# Altium PCB PCB.PcbDoc (part 9 of 10) (continued)
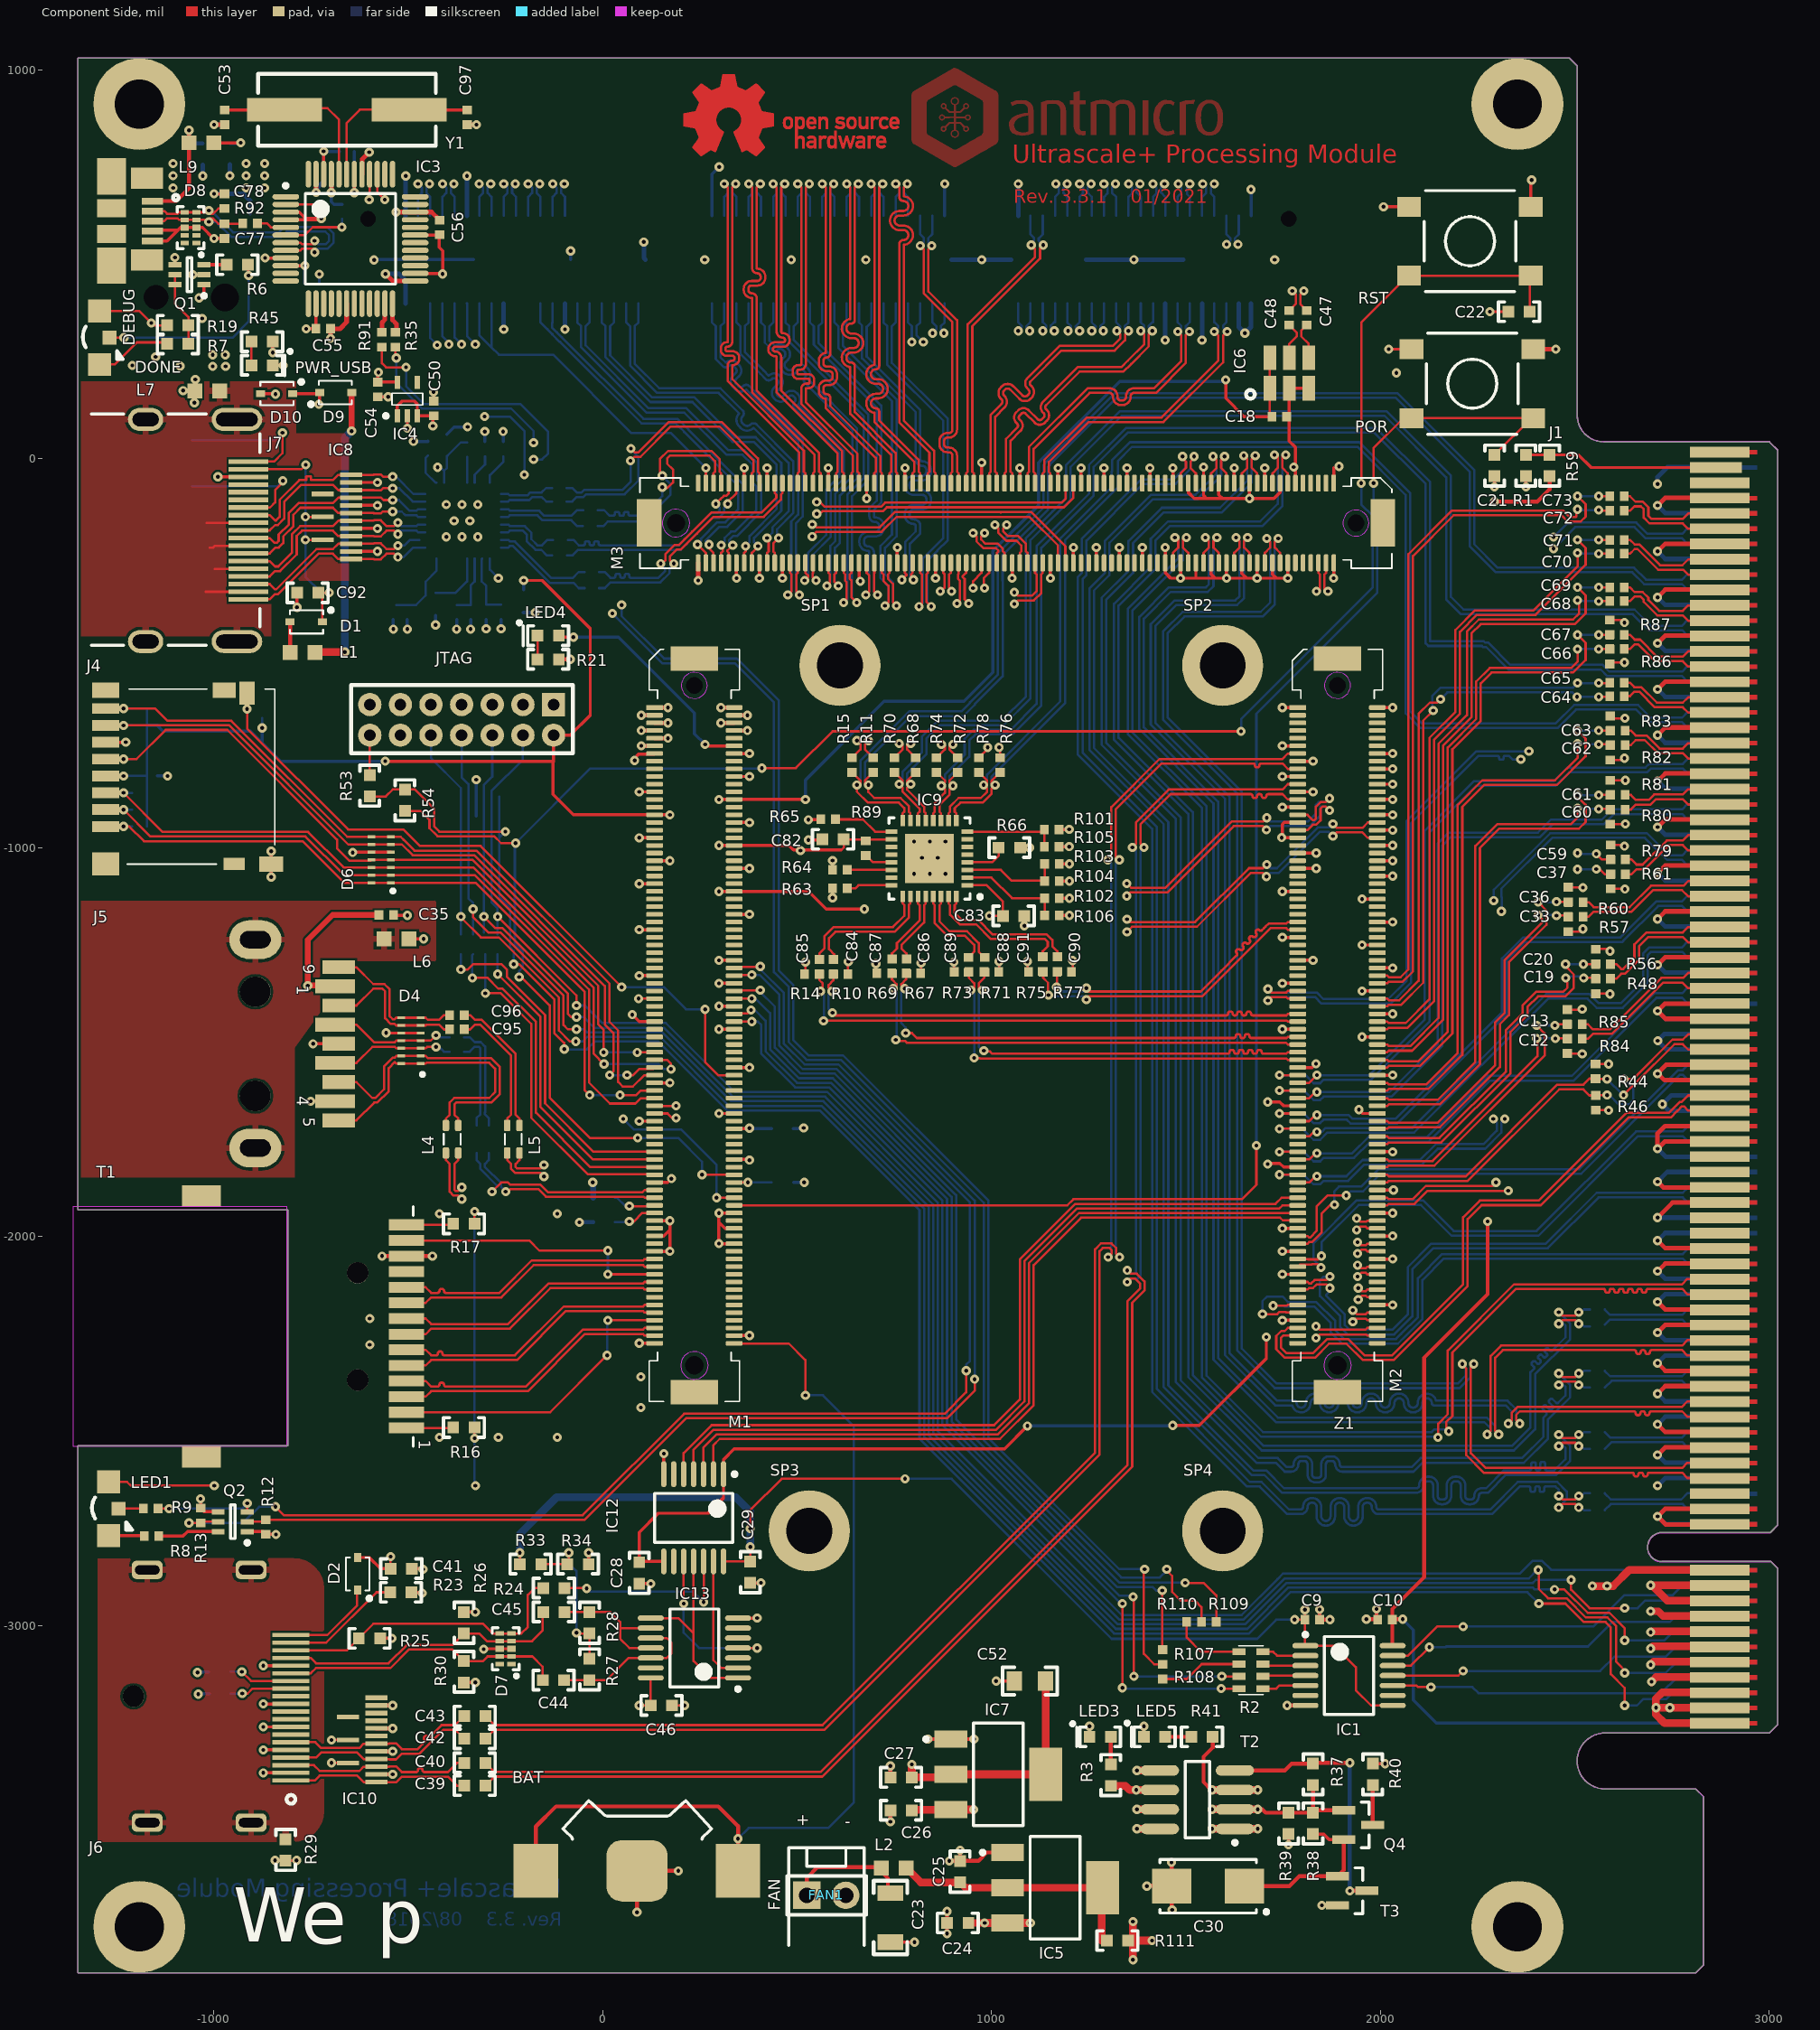
[diagram p0: Component Side view]
## Nets (pads, with @x,y where several pads share a name; then routed paths per layer and width w, separated by ;. In a path a pad name is that pad's centre, name@x,y a point inside that pad or via, vN(x,y) a via of type N, cw(c..) or ccw(c..) an arc to the next point about the centre after c; other vN are vias at no path point) (continued)
; 625.24,828.71 630.74,828.71 ; 625.63,829.1 630.35,829.1 ; 625.63,829.49 630.35,829.49 ; 625.63,829.89 630.35,829.89 ; 627.6,859.35 633.88,859.35 ; 627.6,859.74 633.88,859.74 ; 627.6,860.13 633.88,860.13 ; 627.6,860.53 633.49,860.53 ; 627.6,860.92 633.49,860.92 ; 627.6,861.31 633.49,861.31 ; 627.6,861.71 633.49,861.71 ; 627.6,862.1 633.49,862.1 ; 627.6,862.49 633.49,862.49 ; 627.6,862.88 633.49,862.88 ; 627.6,863.28 633.49,863.28 ; 627.6,863.67 633.49,863.67 ; 627.6,864.06 633.49,864.06 ; 627.6,864.46 633.49,864.46 ; 627.6,864.85 633.49,864.85 ; 627.6,865.24 633.49,865.24 ; 627.6,865.63 633.49,865.63 ; 627.6,866.03 633.49,866.03 ; 627.6,866.42 633.49,866.42 ; 627.6,866.81 633.49,866.81 ; 627.6,867.21 633.49,867.21 ; 627.6,867.6 633.88,867.6 ; 627.6,867.99 633.88,867.99 ; 627.6,868.38 633.88,868.38 ; 627.99,820.85 633.1,820.85 ; 627.99,857.38 634.67,857.38 ; 627.99,857.78 634.27,857.78 ; 627.99,858.17 634.27,858.17 ; 627.99,858.56 633.88,858.56 ; 627.99,858.96 633.88,858.96 ; 627.99,868.78 633.88,868.78 ; 627.99,869.17 633.88,869.17 ; 627.99,869.56 634.27,869.56 ; 627.99,869.96 634.27,869.96 ; 627.99,870.35 634.67,870.35 ; 628.38,819.67 633.49,819.67 ; 628.38,820.07 633.49,820.07 ; 628.38,820.46 633.1,820.46 ; 628.38,856.21 635.45,856.21 ; 628.38,856.6 635.06,856.6 ; 628.38,856.99 634.67,856.99 ; 628.38,870.74 634.67,870.74 ; 628.38,871.13 635.06,871.13 ; 628.38,871.53 635.45,871.53 ; 628.77,818.1 633.88,818.1 ; 628.77,818.5 633.88,818.5 ; 628.77,818.89 633.88,818.89 ; 628.77,819.28 633.49,819.28 ; 628.77,855.03 636.63,855.03 ; 628.77,855.42 636.24,855.42 ; 628.77,855.81 635.85,855.81 ; 628.77,871.92 635.85,871.92 ; 628.77,872.31 636.24,872.31 ; 628.77,872.7 636.63,872.7 ; 629.17,816.92 634.27,816.92 ; 629.17,817.32 634.27,817.32 ; 629.17,817.71 634.27,817.71 ; 629.17,854.24 638.6,854.24 ; 629.17,854.64 637.42,854.64 ; 629.17,873.1 637.42,873.1 ; 629.17,873.49 638.6,873.49 ; 629.56,815.75 634.67,815.75 ; 629.56,816.14 634.67,816.14 ; 629.56,816.53 634.67,816.53 ; 629.56,853.85 651.17,853.85 ; 629.56,873.88 651.17,873.88 ; 629.95,814.18 635.45,814.18 ; 629.95,814.57 635.06,814.57 ; 629.95,814.96 635.06,814.96 ; 629.95,815.35 635.06,815.35 ; 629.95,853.06 650.38,853.06 ; 629.95,853.46 650.77,853.46 ; 629.95,874.28 650.77,874.28 ; 629.95,874.67 650.38,874.67 ; 630.35,813 635.45,813 ; 630.35,813.39 635.45,813.39 ; 630.35,813.78 635.45,813.78 ; 630.35,852.67 649.99,852.67 ; 630.35,875.06 649.99,875.06 ; 630.74,811.82 635.85,811.82 ; 630.74,812.21 635.85,812.21 ; 630.74,812.6 635.85,812.6 ; 630.74,852.28 649.99,852.28 ; 630.74,875.45 649.99,875.45 ; 631.13,810.25 636.63,810.25 ; 631.13,810.64 636.24,810.64 ; 631.13,811.03 636.24,811.03 ; 631.13,811.43 636.24,811.43 ; 631.13,851.89 649.59,851.89 ; 631.13,875.85 649.59,875.85 ; 631.52,809.07 637.02,809.07 ; 631.52,809.46 636.63,809.46 ; 631.52,809.85 636.63,809.85 ; 631.52,851.49 649.2,851.49 ; 631.52,876.24 649.2,876.24 ; 631.92,807.89 642.92,807.89 ; 631.92,808.28 642.92,808.28 ; 631.92,808.68 637.02,808.68 ; 631.92,851.1 648.81,851.1 ; 631.92,876.63 648.81,876.63 ; 632.31,806.32 642.13,806.32 ; 632.31,806.71 642.52,806.71 ; 632.31,807.1 642.52,807.1 ; 632.31,807.5 642.52,807.5 ; 632.31,850.71 648.42,850.71 ; 632.31,877.03 648.42,877.03 ; 632.7,805.14 641.74,805.14 ; 632.7,805.53 642.13,805.53 ; 632.7,805.93 642.13,805.93 ; 632.7,850.31 647.63,850.31 ; 632.7,877.42 647.63,877.42 ; 633.1,803.96 641.34,803.96 ; 633.1,804.35 641.74,804.35 ; 633.1,804.75 641.74,804.75 ; 633.49,802.39 640.95,802.39 ; 633.49,802.78 640.95,802.78 ; 633.49,803.18 641.34,803.18 ; 633.49,803.57 641.34,803.57 ; 633.49,849.92 647.24,849.92 ; 633.49,877.81 647.24,877.81 ; 633.88,801.21 640.56,801.21 ; 633.88,801.6 640.56,801.6 ; 633.88,802 640.95,802 ; 633.88,849.53 646.45,849.53 ; 634.27,800.03 640.17,800.03 ; 634.27,800.43 640.17,800.43 ; 634.27,800.82 640.56,800.82 ; 634.27,878.2 646.45,878.2 ; 634.67,799.25 640.17,799.25 ; 634.67,799.64 640.17,799.64 ; 635.06,849.14 645.67,849.14 ; 635.06,878.6 645.67,878.6 ; 635.85,848.74 644.49,848.74 ; 636.24,878.99 644.49,878.99 ; 637.42,848.35 642.92,848.35 ; 637.42,879.38 643.31,879.38 ; 637.81,808.68 642.92,808.68 ; 637.81,809.07 643.31,809.07 ; 637.81,809.46 643.31,809.46 ; 637.81,809.85 643.31,809.85 ; 638.2,810.25 643.31,810.25 ; 638.2,810.64 643.7,810.64 ; 638.2,811.03 643.7,811.03 ; 638.2,811.43 643.7,811.43 ; 638.6,811.82 644.09,811.82 ; 638.6,812.21 644.09,812.21 ; 638.6,812.6 644.09,812.6 ; 638.99,813 644.49,813 ; 638.99,813.39 644.49,813.39 ; 638.99,813.78 644.49,813.78 ; 638.99,814.18 644.88,814.18 ; 639.38,814.57 644.88,814.57 ; 639.38,814.96 644.88,814.96 ; 639.38,815.35 645.27,815.35 ; 639.38,815.75 645.27,815.75 ; 639.77,816.14 645.27,816.14 ; 639.77,816.53 645.67,816.53 ; 639.77,816.92 645.67,816.92 ; 640.17,817.32 645.67,817.32 ; 640.17,817.71 646.06,817.71 ; 640.17,818.1 646.06,818.1 ; 640.17,818.5 646.06,818.5 ; 640.56,818.89 646.06,818.89 ; 640.56,819.28 646.45,819.28 ; 640.56,819.67 646.45,819.67 ; 640.56,820.07 646.45,820.07 ; 640.95,820.46 646.84,820.46 ; 640.95,820.85 646.84,820.85 ; 640.95,821.25 646.84,821.25 ; 641.34,821.64 647.24,821.64 ; 641.34,822.03 647.24,822.03 ; 641.34,822.42 647.24,822.42 ; 641.34,822.82 647.63,822.82 ; 641.74,823.21 647.63,823.21 ; 641.74,823.6 647.63,823.6 ; 641.74,824 648.02,824 ; 641.74,824.39 648.02,824.39 ; 641.74,873.49 651.17,873.49 ; 642.13,824.78 648.02,824.78 ; 642.13,825.17 648.42,825.17 ; 642.13,825.57 648.42,825.57 ; 642.13,854.24 651.17,854.24 ; 642.52,825.96 648.42,825.96 ; 642.52,826.35 648.81,826.35 ; 642.52,826.75 648.81,826.75 ; 642.52,827.14 648.81,827.14 ; 642.92,827.53 649.2,827.53 ; 642.92,827.92 649.2,827.92 ; 642.92,828.32 649.2,828.32 ; 642.92,828.71 649.2,828.71 ; 642.92,854.64 651.56,854.64 ; 642.92,873.1 651.56,873.1 ; 643.31,829.1 649.59,829.1 ; 643.31,829.49 649.59,829.49 ; 643.31,829.89 649.59,829.89 ; 643.7,855.03 651.56,855.03 ; 643.7,872.7 651.56,872.7 ; 644.49,855.42 651.95,855.42 ; 644.49,872.31 651.95,872.31 ; 644.88,855.81 651.95,855.81 ; 644.88,871.92 651.95,871.92 ; 645.27,856.21 651.95,856.21 ; 645.27,871.53 651.95,871.53 ; 645.67,856.6 652.34,856.6 ; 645.67,856.99 652.34,856.99 ; 645.67,870.74 652.34,870.74 ; 645.67,871.13 652.34,871.13 ; 646.06,857.38 652.34,857.38 ; 646.06,857.78 652.34,857.78 ; 646.06,869.96 652.34,869.96 ; 646.06,870.35 652.34,870.35 ; 646.45,858.17 652.34,858.17 ; 646.45,858.56 652.74,858.56 ; 646.45,858.96 652.74,858.96 ; 646.45,868.78 652.74,868.78 ; 646.45,869.17 652.74,869.17 ; 646.45,869.56 652.34,869.56 ; 646.84,859.35 652.74,859.35 ; 646.84,859.74 652.74,859.74 ; 646.84,860.13 652.74,860.13 ; 646.84,860.53 652.74,860.53 ; 646.84,860.92 652.74,860.92 ; 646.84,861.31 652.74,861.31 ; 646.84,861.71 652.74,861.71 ; 646.84,862.1 652.74,862.1 ; 646.84,862.49 652.74,862.49 ; 646.84,862.88 652.74,862.88 ; 646.84,863.28 653.13,863.28 ; 646.84,863.67 653.13,863.67 ; 646.84,864.06 653.13,864.06 ; 646.84,864.46 653.13,864.46 ; 646.84,864.85 652.74,864.85 ; 646.84,865.24 652.74,865.24 ; 646.84,865.63 652.74,865.63 ; 646.84,866.03 652.74,866.03 ; 646.84,866.42 652.74,866.42 ; 646.84,866.81 652.74,866.81 ; 646.84,867.21 652.74,867.21 ; 646.84,867.6 652.74,867.6 ; 646.84,867.99 652.74,867.99 ; 646.84,868.38 652.74,868.38 ; 650.77,805.93 657.45,805.93 ; 650.77,806.32 657.06,806.32 ; 650.77,806.71 656.66,806.71 ; 650.77,807.1 656.66,807.1 ; 650.77,807.5 656.66,807.5 ; 650.77,807.89 656.27,807.89 ; 650.77,808.28 656.27,808.28 ; 650.77,808.68 656.27,808.68 ; 650.77,809.07 656.27,809.07 ; 650.77,809.46 656.27,809.46 ; 650.77,809.85 656.66,809.85 ; 650.77,810.25 656.66,810.25 ; 651.17,804.75 659.41,804.75 ; 651.17,805.14 658.63,805.14 ; 651.17,805.53 657.84,805.53 ; 651.17,810.64 657.06,810.64 ; 651.17,811.03 657.45,811.03 ; 651.17,811.43 657.84,811.43 ; 651.17,811.82 658.63,811.82 ; 651.56,803.96 675.52,803.96 ; 651.56,804.35 675.52,804.35 ; 651.56,812.21 660.2,812.21 ; 651.56,812.6 675.52,812.6 ; 651.95,803.18 675.52,803.18 ; 651.95,803.57 675.52,803.57 ; 651.95,813 675.52,813 ; 652.34,802.78 675.52,802.78 ; 652.34,813.39 675.52,813.39 ; 652.34,813.78 675.52,813.78 ; 652.34,825.96 673.95,825.96 ; 652.74,802.39 675.52,802.39 ; 652.74,814.18 675.52,814.18 ; 652.74,825.57 674.34,825.57 ; 652.74,826.35 673.56,826.35 ; 652.74,826.75 673.56,826.75 ; 653.13,802 675.52,802 ; 653.13,814.57 675.52,814.57 ; 653.13,827.14 673.16,827.14 ; 653.52,801.6 668.84,801.6 ; 653.52,814.96 675.52,814.96 ; 653.52,825.17 674.34,825.17 ; 653.52,827.53 672.77,827.53 ; 653.91,801.21 668.45,801.21 ; 653.91,824.78 662.16,824.78 ; 653.91,827.92 672.38,827.92 ; 654.31,800.82 668.06,800.82 ; 654.31,815.35 675.52,815.35 ; 654.31,824.39 659.41,824.39 ; 654.7,815.75 675.52,815.75 ; 654.7,828.32 671.59,828.32 ; 655.09,800.43 667.66,800.43 ; 655.09,824 658.63,824 ; 655.09,828.71 670.81,828.71 ; 655.49,816.14 675.52,816.14 ; 655.49,823.6 657.84,823.6 ; 655.88,800.03 667.27,800.03 ; 655.88,823.21 657.45,823.21 ; 655.88,829.1 670.41,829.1 ; 656.27,816.53 675.52,816.53 ; 656.66,799.64 666.49,799.64 ; 656.66,822.82 657.45,822.82 ; 656.66,829.49 669.24,829.49 ; 657.84,799.25 665.31,799.25 ; 657.84,816.92 675.52,816.92 ; 658.24,829.89 668.06,829.89 ; 658.63,856.99 665.7,856.99 ; 658.63,857.38 665.31,857.38 ; 658.63,857.78 665.31,857.78 ; 658.63,858.17 664.91,858.17 ; 658.63,858.56 664.91,858.56 ; 658.63,858.96 664.91,858.96 ; 658.63,859.35 664.91,859.35 ; 658.63,859.74 664.52,859.74 ; 658.63,860.13 664.52,860.13 ; 658.63,860.53 664.52,860.53 ; 658.63,860.92 664.52,860.92 ; 658.63,861.31 664.52,861.31 ; 658.63,861.71 664.52,861.71 ; 658.63,862.1 664.52,862.1 ; 658.63,862.49 664.52,862.49 ; 658.63,862.88 664.52,862.88 ; 658.63,863.28 664.52,863.28 ; 658.63,863.67 664.52,863.67 ; 658.63,864.06 664.52,864.06 ; 658.63,864.46 664.52,864.46 ; 658.63,864.85 664.52,864.85 ; 658.63,865.24 664.52,865.24 ; 658.63,865.63 664.52,865.63 ; 658.63,866.03 664.52,866.03 ; 658.63,866.42 664.52,866.42 ; 658.63,866.81 664.52,866.81 ; 658.63,867.21 664.52,867.21 ; 658.63,867.6 664.52,867.6 ; 658.63,867.99 664.52,867.99 ; 658.63,868.38 664.52,868.38 ; 658.63,868.78 664.52,868.78 ; 658.63,869.17 664.52,869.17 ; 658.63,869.56 664.52,869.56 ; 658.63,869.96 664.52,869.96 ; 658.63,870.35 664.52,870.35 ; 658.63,870.74 664.52,870.74 ; 658.63,871.13 664.52,871.13 ; 658.63,871.53 664.52,871.53 ; 658.63,871.92 664.52,871.92 ; 658.63,872.31 664.52,872.31 ; 658.63,872.7 664.52,872.7 ; 658.63,873.1 664.52,873.1 ; 658.63,873.49 664.52,873.49 ; 658.63,873.88 664.52,873.88 ; 658.63,874.28 664.52,874.28 ; 658.63,874.67 664.52,874.67 ; 658.63,875.06 664.52,875.06 ; 658.63,875.45 664.52,875.45 ; 658.63,875.85 664.52,875.85 ; 658.63,876.24 664.52,876.24 ; 658.63,876.63 664.52,876.63 ; 658.63,877.03 664.52,877.03 ; 658.63,877.42 664.52,877.42 ; 658.63,877.81 664.52,877.81 ; 658.63,878.2 664.52,878.2 ; 658.63,878.6 664.52,878.6 ; 658.63,878.99 664.52,878.99 ; 659.02,855.42 666.88,855.42 ; 659.02,855.81 666.49,855.81 ; 659.02,856.21 666.09,856.21 ; 659.02,856.6 665.7,856.6 ; 659.41,854.24 669.24,854.24 ; 659.41,854.64 668.06,854.64 ; 659.41,855.03 667.27,855.03 ; 659.81,853.46 683.38,853.46 ; 659.81,853.85 683.38,853.85 ; 660.2,852.67 683.38,852.67 ; 660.2,853.06 683.38,853.06 ; 660.59,830.28 665.7,830.28 ; 660.59,852.28 683.38,852.28 ; 660.99,798.85 662.16,798.85 ; 660.99,851.89 683.38,851.89 ; 661.38,851.49 676.7,851.49 ; 661.77,851.1 676.31,851.1 ; 662.16,850.71 675.91,850.71 ; 662.56,850.31 675.52,850.31 ; 662.95,849.92 675.13,849.92 ; 663.34,824.78 674.73,824.78 ; 663.74,849.53 674.34,849.53 ; 664.52,849.14 673.56,849.14 ; 665.31,848.74 672.77,848.74 ; 666.49,804.75 675.52,804.75 ; 666.49,824.39 674.73,824.39 ; 666.49,848.35 671.59,848.35 ; 667.27,805.14 675.52,805.14 ; 667.66,824 674.73,824 ; 668.06,805.53 675.52,805.53 ; 668.06,823.6 675.13,823.6 ; 668.45,805.93 675.52,805.93 ; 668.84,806.32 675.52,806.32 ; 668.84,806.71 675.52,806.71 ; 668.84,822.82 675.13,822.82 ; 668.84,823.21 675.13,823.21 ; 669.24,807.1 675.52,807.1 ; 669.24,807.5 675.52,807.5 ; 669.24,807.89 675.52,807.89 ; 669.24,808.28 675.52,808.28 ; 669.24,808.68 675.52,808.68 ; 669.24,809.07 675.52,809.07 ; 669.24,809.46 675.52,809.46 ; 669.24,812.21 675.52,812.21 ; 669.24,817.32 675.52,817.32 ; 669.24,821.25 675.52,821.25 ; 669.24,821.64 675.13,821.64 ; 669.24,822.03 675.13,822.03 ; 669.24,822.42 675.13,822.42 ; 669.63,799.25 675.52,799.25 ; 669.63,799.64 675.52,799.64 ; 669.63,800.03 675.52,800.03 ; 669.63,800.43 675.52,800.43 ; 669.63,800.82 675.52,800.82 ; 669.63,801.21 675.52,801.21 ; 669.63,801.6 675.52,801.6 ; 669.63,809.85 675.52,809.85 ; 669.63,810.25 675.52,810.25 ; 669.63,810.64 675.52,810.64 ; 669.63,811.03 675.52,811.03 ; 669.63,811.43 675.52,811.43 ; 669.63,811.82 675.52,811.82 ; 669.63,817.71 675.52,817.71 ; 669.63,818.1 675.52,818.1 ; 669.63,818.5 675.52,818.5 ; 669.63,818.89 675.52,818.89 ; 669.63,819.28 675.52,819.28 ; 669.63,819.67 675.52,819.67 ; 669.63,820.07 675.52,820.07 ; 669.63,820.46 675.52,820.46 ; 669.63,820.85 675.52,820.85 ; 672.38,854.24 683.38,854.24 ; 673.56,854.64 683.38,854.64 ; 674.34,855.03 683.38,855.03 ; 675.13,855.42 683.38,855.42 ; 675.52,855.81 683.38,855.81 ; 675.52,856.21 683.38,856.21 ; 675.91,856.6 683.38,856.6 ; 676.31,856.99 683.38,856.99 ; 676.31,857.38 683.38,857.38 ; 676.7,857.78 683.38,857.78 ; 676.7,858.17 683.38,858.17 ; 677.09,848.74 683.38,848.74 ; 677.09,849.14 683.38,849.14 ; 677.09,849.53 683.38,849.53 ; 677.09,849.92 683.38,849.92 ; 677.09,850.31 683.38,850.31 ; 677.09,850.71 683.38,850.71 ; 677.09,851.1 683.38,851.1 ; 677.09,851.49 683.38,851.49 ; 677.09,858.56 683.38,858.56 ; 677.09,858.96 683.38,858.96 ; 677.09,859.35 683.38,859.35 ; 677.09,859.74 683.38,859.74 ; 677.09,860.13 683.38,860.13 ; 677.09,860.53 683.38,860.53 ; 677.09,860.92 683.38,860.92 ; 677.09,861.31 683.38,861.31 ; 677.09,861.71 683.38,861.71 ; 677.09,862.1 683.38,862.1 ; 677.09,862.49 683.38,862.49 ; 677.09,862.88 683.38,862.88 ; 677.09,863.28 683.38,863.28 ; 677.09,863.67 683.38,863.67 ; 677.09,864.06 683.38,864.06 ; 677.09,864.46 683.38,864.46 ; 677.09,864.85 683.38,864.85 ; 677.09,865.24 683.38,865.24 ; 677.09,865.63 683.38,865.63 ; 677.09,866.03 683.38,866.03 ; 677.09,866.42 683.38,866.42 ; 677.09,866.81 683.38,866.81 ; 677.09,867.21 683.38,867.21 ; 677.09,867.6 683.38,867.6 ; 677.09,867.99 683.38,867.99 ; 677.09,868.38 683.38,868.38 ; 677.09,868.78 683.38,868.78 ; 677.09,869.17 683.38,869.17 ; 677.09,869.56 683.38,869.56 ; 677.09,869.96 683.38,869.96 ; 677.09,870.35 683.38,870.35 ; 677.09,870.74 683.38,870.74 ; 677.09,871.13 683.38,871.13 ; 677.09,871.53 683.38,871.53 ; 677.09,871.92 683.38,871.92 ; 677.09,872.31 683.38,872.31 ; 677.09,872.7 683.38,872.7 ; 677.09,873.1 683.38,873.1 ; 677.09,873.49 683.38,873.49 ; 677.09,873.88 683.38,873.88 ; 677.09,874.28 683.38,874.28 ; 677.09,874.67 683.38,874.67 ; 677.09,875.06 683.38,875.06 ; 677.09,875.45 683.38,875.45 ; 677.09,875.85 683.38,875.85 ; 677.09,876.24 683.38,876.24 ; 677.09,876.63 683.38,876.63 ; 677.09,877.03 683.38,877.03 ; 677.09,877.42 683.38,877.42 ; 677.09,877.81 683.38,877.81 ; 677.09,878.2 683.38,878.2 ; 677.09,878.6 683.38,878.6 ; 677.09,878.99 683.38,878.99 ; 682.59,799.25 688.48,799.25 ; 682.59,799.64 688.48,799.64 ; 682.59,800.03 688.48,800.03 ; 682.59,800.43 688.48,800.43 ; 682.59,800.82 688.48,800.82 ; 682.59,801.21 688.48,801.21 ; 682.59,801.6 688.48,801.6 ; 682.59,802 688.48,802 ; 682.59,802.39 688.48,802.39 ; 682.59,802.78 688.48,802.78 ; 682.59,803.18 688.48,803.18 ; 682.59,803.57 688.48,803.57 ; 682.59,803.96 688.48,803.96 ; 682.59,804.35 688.48,804.35 ; 682.59,804.75 688.48,804.75 ; 682.59,805.14 688.48,805.14 ; 682.59,805.53 688.48,805.53 ; 682.59,805.93 688.48,805.93 ; 682.59,806.32 688.48,806.32 ; 682.59,806.71 688.48,806.71 ; 682.59,807.1 688.48,807.1 ; 682.59,807.5 688.48,807.5 ; 682.59,807.89 688.48,807.89 ; 682.59,808.28 688.48,808.28 ; 682.59,808.68 688.48,808.68 ; 682.59,809.07 688.48,809.07 ; 682.59,809.46 688.48,809.46 ; 682.59,809.85 688.48,809.85 ; 682.59,810.25 688.48,810.25 ; 682.59,810.64 688.48,810.64 ; 682.59,811.03 688.48,811.03 ; 682.59,811.43 688.48,811.43 ; 682.59,811.82 688.48,811.82 ; 682.59,812.21 688.48,812.21 ; 682.59,812.6 688.48,812.6 ; 682.59,813 688.48,813 ; 682.59,813.39 688.48,813.39 ; 682.59,813.78 688.48,813.78 ; 682.59,814.18 688.48,814.18 ; 682.59,814.57 688.48,814.57 ; 682.59,814.96 688.48,814.96 ; 682.59,815.35 688.48,815.35 ; 682.59,815.75 688.48,815.75 ; 682.59,816.14 688.48,816.14 ; 682.59,816.53 688.48,816.53 ; 682.59,816.92 688.48,816.92 ; 682.59,817.32 688.48,817.32 ; 682.59,817.71 688.48,817.71 ; 682.59,818.1 688.48,818.1 ; 682.59,818.5 688.48,818.5 ; 682.59,818.89 688.48,818.89 ; 682.59,819.28 688.88,819.28 ; 682.59,819.67 688.88,819.67 ; 682.59,820.07 688.88,820.07 ; 682.59,820.46 688.88,820.46 ; 682.59,820.85 689.27,820.85 ; 682.59,821.25 689.27,821.25 ; 682.59,821.64 689.66,821.64 ; 682.59,822.03 689.66,822.03 ; 682.59,822.42 690.05,822.42 ; 682.59,822.82 690.45,822.82 ; 682.59,823.21 690.84,823.21 ; 682.59,823.6 691.63,823.6 ; 682.59,824 692.41,824 ; 682.59,824.39 693.98,824.39 ; 682.59,824.78 700.27,824.78 ; 682.59,825.17 700.66,825.17 ; 682.59,825.57 701.05,825.57 ; 682.59,825.96 701.45,825.96 ; 682.59,826.35 701.84,826.35 ; 682.59,826.75 702.23,826.75 ; 682.59,827.14 688.48,827.14 ; 682.59,827.53 688.48,827.53 ; 682.59,827.92 688.48,827.92 ; 682.59,828.32 688.48,828.32 ; 682.59,828.71 688.48,828.71 ; 682.59,829.1 688.48,829.1 ; 682.59,829.49 688.48,829.49 ; 682.59,829.89 688.48,829.89 ; 689.27,827.14 702.23,827.14 ; 689.66,827.53 702.62,827.53 ; 690.05,827.92 703.02,827.92 ; 690.45,828.32 703.02,828.32 ; 690.45,848.74 696.34,848.74 ; 690.45,849.14 696.34,849.14 ; 690.45,849.53 696.34,849.53 ; 690.45,849.92 696.34,849.92 ; 690.45,850.31 696.34,850.31 ; 690.45,850.71 696.34,850.71 ; 690.45,851.1 696.34,851.1 ; 690.45,851.49 696.34,851.49 ; 690.45,851.89 696.34,851.89 ; 690.45,852.28 696.34,852.28 ; 690.45,852.67 696.34,852.67 ; 690.45,853.06 696.34,853.06 ; 690.45,853.46 696.34,853.46 ; 690.45,853.85 696.34,853.85 ; 690.45,854.24 696.34,854.24 ; 690.45,854.64 696.34,854.64 ; 690.45,855.03 696.34,855.03 ; 690.45,855.42 696.34,855.42 ; 690.45,855.81 696.34,855.81 ; 690.45,856.21 696.34,856.21 ; 690.45,856.6 696.34,856.6 ; 690.45,856.99 696.34,856.99 ; 690.45,857.38 696.34,857.38 ; 690.45,857.78 696.34,857.78 ; 690.45,858.17 696.34,858.17 ; 690.45,858.56 696.34,858.56 ; 690.45,858.96 696.34,858.96 ; 690.45,859.35 696.34,859.35 ; 690.45,859.74 696.34,859.74 ; 690.45,860.13 696.34,860.13 ; 690.45,860.53 696.34,860.53 ; 690.45,860.92 696.34,860.92 ; 690.45,861.31 696.34,861.31 ; 690.45,861.71 696.34,861.71 ; 690.45,862.1 696.34,862.1 ; 690.45,862.49 696.34,862.49 ; 690.45,862.88 696.34,862.88 ; 690.45,863.28 696.34,863.28 ; 690.45,863.67 696.34,863.67 ; 690.45,864.06 696.34,864.06 ; 690.45,864.46 696.34,864.46 ; 690.45,864.85 696.34,864.85 ; 690.45,865.24 696.34,865.24 ; 690.45,865.63 696.34,865.63 ; 690.45,866.03 696.34,866.03 ; 690.45,866.42 696.34,866.42 ; 690.45,866.81 696.34,866.81 ; 690.45,867.21 696.34,867.21 ; 690.45,867.6 696.34,867.6 ; 690.45,867.99 696.34,867.99 ; 690.45,868.38 696.34,868.38 ; 690.45,868.78 696.34,868.78 ; 690.45,869.17 696.73,869.17 ; 690.45,869.56 696.73,869.56 ; 690.45,869.96 696.73,869.96 ; 690.45,870.35 697.12,870.35 ; 690.45,870.74 697.12,870.74 ; 690.45,871.13 697.52,871.13 ; 690.45,871.53 697.91,871.53 ; 690.45,871.92 698.3,871.92 ; 690.45,872.31 698.7,872.31 ; 690.45,872.7 699.09,872.7 ; 690.45,873.1 699.87,873.1 ; 690.45,873.49 701.05,873.49 ; 690.45,873.88 708.12,873.88 ; 690.45,874.28 708.52,874.28 ; 690.45,874.67 708.91,874.67 ; 690.45,875.06 708.91,875.06 ; 690.45,875.45 709.3,875.45 ; 690.45,875.85 709.7,875.85 ; 690.45,876.24 696.34,876.24 ; 690.45,876.63 696.34,876.63 ; 690.45,877.03 696.34,877.03 ; 690.45,877.42 696.34,877.42 ; 690.45,877.81 696.34,877.81 ; 690.45,878.2 696.34,878.2 ; 690.45,878.6 696.34,878.6 ; 690.45,878.99 696.34,878.99 ; 691.23,828.71 702.62,828.71 ; 691.63,829.1 701.84,829.1 ; 692.41,829.49 701.05,829.49 ; 693.59,829.89 699.87,829.89 ; 695.55,824.39 700.27,824.39 ; 695.55,830.28 698.7,830.28 ; 697.12,824 699.87,824 ; 697.12,876.24 710.09,876.24 ; 697.52,876.63 710.48,876.63 ; 697.91,823.6 699.48,823.6 ; 697.91,877.03 710.87,877.03 ; 698.3,823.21 699.09,823.21 ; 698.3,877.42 710.87,877.42 ; 698.7,877.81 710.48,877.81 ; 699.48,878.2 709.7,878.2 ; 699.87,878.6 708.91,878.6 ; 701.05,878.99 708.12,878.99 ; 702.23,879.38 706.95,879.38 ; 703.8,811.43 709.7,811.43 ; 703.8,811.82 709.7,811.82 ; 703.8,812.21 709.7,812.21 ; 703.8,812.6 729.34,812.6 ; 703.8,813 729.34,813 ; 703.8,813.39 729.34,813.39 ; 703.8,813.78 729.34,813.78 ; 703.8,814.18 729.34,814.18 ; 703.8,814.57 728.94,814.57 ; 703.8,814.96 729.34,814.96 ; 703.8,815.35 729.34,815.35 ; 703.8,815.75 729.34,815.75 ; 703.8,816.14 729.34,816.14 ; 703.8,816.53 729.34,816.53 ; 703.8,816.92 729.34,816.92 ; 703.8,817.32 709.7,817.32 ; 703.8,817.71 709.7,817.71 ; 704.2,809.07 710.09,809.07 ; 704.2,809.46 710.09,809.46 ; 704.2,809.85 710.09,809.85 ; 704.2,810.25 710.09,810.25 ; 704.2,810.64 709.7,810.64 ; 704.2,811.03 709.7,811.03 ; 704.2,818.1 709.7,818.1 ; 704.2,818.5 709.7,818.5 ; 704.2,818.89 709.7,818.89 ; 704.2,819.28 710.09,819.28 ; 704.2,819.67 710.09,819.67 ; 704.2,820.07 710.09,820.07 ; 704.2,873.49 707.73,873.49 ; 704.59,807.5 710.87,807.5 ; 704.59,807.89 710.87,807.89 ; 704.59,808.28 710.48,808.28 ; 704.59,808.68 710.48,808.68 ; 704.59,820.46 710.09,820.46 ; 704.59,820.85 710.48,820.85 ; 704.59,821.25 710.48,821.25 ; 704.59,821.64 710.87,821.64 ; 704.98,806.71 711.66,806.71 ; 704.98,807.1 711.27,807.1 ; 704.98,822.03 710.87,822.03 ; 704.98,822.42 711.27,822.42 ; 704.98,873.1 707.34,873.1 ; 705.37,805.93 712.44,805.93 ; 705.37,806.32 712.05,806.32 ; 705.37,822.82 711.66,822.82 ; 705.37,823.21 712.05,823.21 ; 705.77,805.14 713.62,805.14 ; 705.77,805.53 712.84,805.53 ; 705.77,823.6 712.44,823.6 ; 705.77,824 713.23,824 ; 705.77,872.7 706.95,872.7 ; 706.16,804.35 727.76,804.35 ; 706.16,804.75 714.8,804.75 ; 706.16,824.39 714.02,824.39 ; 706.16,824.78 715.98,824.78 ; 706.55,803.96 728.16,803.96 ; 706.55,825.17 726.98,825.17 ; 706.55,872.31 706.95,872.31 ; 706.95,803.18 727.76,803.18 ; 706.95,803.57 728.16,803.57 ; 706.95,825.57 726.59,825.57 ; 706.95,825.96 726.19,825.96 ; 707.34,802.78 727.37,802.78 ; 707.34,826.35 725.8,826.35 ; 707.73,802.39 726.98,802.39 ; 707.73,826.75 725.41,826.75 ; 708.12,802 726.59,802 ; 708.12,827.14 725.02,827.14 ; 708.52,801.6 726.19,801.6 ; 708.52,827.53 724.62,827.53 ; 708.91,827.92 724.23,827.92 ; 709.3,801.21 725.41,801.21 ; 709.3,828.32 723.44,828.32 ; 709.7,800.82 725.02,800.82 ; 710.09,828.71 723.05,828.71 ; 710.48,800.43 724.23,800.43 ; 710.48,863.67 716.77,863.67 ; 710.48,864.06 716.77,864.06 ; 710.87,829.1 722.27,829.1 ; 710.87,859.74 717.16,859.74 ; 710.87,860.13 717.16,860.13 ; 710.87,860.53 717.16,860.53 ; 710.87,860.92 716.77,860.92 ; 710.87,861.31 716.77,861.31 ; 710.87,861.71 716.77,861.71 ; 710.87,862.1 716.77,862.1 ; 710.87,862.49 716.77,862.49 ; 710.87,862.88 716.77,862.88 ; 710.87,863.28 716.77,863.28 ; 710.87,864.46 716.77,864.46 ; 710.87,864.85 716.77,864.85 ; 710.87,865.24 716.77,865.24 ; 710.87,865.63 716.77,865.63 ; 710.87,866.03 716.77,866.03 ; 710.87,866.42 716.77,866.42 ; 710.87,866.81 716.77,866.81 ; 710.87,867.21 717.16,867.21 ; 710.87,867.6 717.16,867.6 ; 710.87,867.99 717.16,867.99 ; 711.27,800.03 723.44,800.03 ; 711.27,858.17 717.55,858.17 ; 711.27,858.56 717.55,858.56 ; 711.27,858.96 717.55,858.96 ; 711.27,859.35 717.16,859.35 ; 711.27,868.38 717.16,868.38 ; 711.27,868.78 717.55,868.78 ; 711.27,869.17 717.55,869.17 ; 711.27,869.56 717.55,869.56 ; 711.66,829.49 721.48,829.49 ; 711.66,856.6 718.73,856.6 ; 711.66,856.99 718.34,856.99 ; 711.66,857.38 717.94,857.38 ; 711.66,857.78 717.94,857.78 ; 711.66,869.96 717.94,869.96 ; 711.66,870.35 717.94,870.35 ; 711.66,870.74 718.34,870.74 ; 712.05,799.64 722.27,799.64 ; 712.05,855.81 719.52,855.81 ; 712.05,856.21 719.12,856.21 ; 712.05,871.13 718.73,871.13 ; 712.05,871.53 719.12,871.53 ; 712.05,871.92 719.52,871.92 ; 712.44,855.03 720.69,855.03 ; 712.44,855.42 719.91,855.42 ; 712.44,872.31 719.91,872.31 ; 712.44,872.7 720.69,872.7 ; 712.84,829.89 719.91,829.89 ; 712.84,854.24 722.66,854.24 ; 712.84,854.64 721.48,854.64 ; 712.84,873.1 721.48,873.1 ; 712.84,873.49 722.66,873.49 ; 713.23,853.85 734.84,853.85 ; 713.23,873.88 734.84,873.88 ; 713.62,799.25 721.09,799.25 ; 713.62,853.46 735.62,853.46 ; 713.62,874.28 735.62,874.28 ; 714.02,852.67 734.84,852.67 ; 714.02,853.06 735.23,853.06 ; 714.02,874.67 735.23,874.67 ; 714.02,875.06 734.84,875.06 ; 714.41,852.28 734.44,852.28 ; 714.41,875.45 734.44,875.45 ; 714.8,830.28 717.94,830.28 ; 714.8,851.89 734.05,851.89 ; 714.8,875.85 734.05,875.85 ; 715.19,851.49 733.66,851.49 ; 715.19,876.24 733.66,876.24 ; 715.59,851.1 733.26,851.1 ; 715.59,876.63 733.26,876.63 ; 716.37,850.71 732.87,850.71 ; 716.37,877.03 732.48,877.03 ; 716.77,798.85 717.94,798.85 ; 716.77,824.78 726.98,824.78 ; 716.77,850.31 732.09,850.31 ; 716.77,877.42 732.09,877.42 ; 717.55,849.92 731.3,849.92 ; 717.55,877.81 731.3,877.81 ; 718.34,849.53 730.91,849.53 ; 718.34,878.2 730.91,878.2 ; 718.73,824.39 727.37,824.39 ; 719.12,849.14 729.73,849.14 ; 719.12,878.6 729.73,878.6 ; 719.52,804.75 727.37,804.75 ; 719.52,824 727.37,824 ; 720.3,823.6 727.76,823.6 ; 720.3,848.74 728.94,848.74 ; 720.3,878.99 728.55,878.99 ; 720.69,805.14 726.59,805.14 ; 720.69,823.21 727.76,823.21 ; 721.09,822.82 728.16,822.82 ; 721.48,805.53 726.19,805.53 ; 721.48,822.42 728.16,822.42 ; 721.48,848.35 727.37,848.35 ; 721.87,821.64 728.55,821.64 ; 721.87,822.03 728.55,822.03 ; 721.87,879.38 727.37,879.38 ; 722.27,805.93 725.8,805.93 ; 722.27,820.85 728.55,820.85 ; 722.27,821.25 728.55,821.25 ; 722.66,806.32 725.41,806.32 ; 722.66,819.67 728.94,819.67 ; 722.66,820.07 728.94,820.07 ; 722.66,820.46 728.94,820.46 ; 723.05,817.32 728.94,817.32 ; 723.05,817.71 728.94,817.71 ; 723.05,818.1 728.94,818.1 ; 723.05,818.5 728.94,818.5 ; 723.05,818.89 728.94,818.89 ; 723.05,819.28 728.94,819.28 ; 723.44,806.71 725.02,806.71 ; 723.84,807.1 724.62,807.1 ; 726.59,854.24 734.44,854.24 ; 726.59,873.49 734.44,873.49 ; 727.76,854.64 734.05,854.64 ; 727.76,873.1 734.05,873.1 ; 728.55,855.03 733.66,855.03 ; 728.55,872.7 733.66,872.7 ; 729.34,855.42 733.26,855.42 ; 729.34,872.31 733.26,872.31 ; 729.73,855.81 732.87,855.81 ; 729.73,871.92 732.87,871.92 ; 730.12,856.21 732.48,856.21 ; 730.12,871.53 732.48,871.53 ; 730.51,856.6 732.09,856.6 ; 730.51,871.13 732.09,871.13 ; 730.91,856.99 731.69,856.99 ; 730.91,870.74 731.69,870.74 ; 737.59,861.31 743.48,861.31 ; 737.59,861.71 763.12,861.71 ; 737.59,862.1 763.12,862.1 ; 737.59,862.49 763.12,862.49 ; 737.59,862.88 763.12,862.88 ; 737.59,863.28 763.12,863.28 ; 737.59,863.67 763.12,863.67 ; 737.59,864.06 763.12,864.06 ; 737.59,864.46 763.12,864.46 ; 737.59,864.85 763.12,864.85 ; 737.59,865.24 763.12,865.24 ; 737.59,865.63 763.12,865.63 ; 737.59,866.03 763.12,866.03 ; 737.59,866.42 763.12,866.42 ; 737.98,858.56 743.87,858.56 ; 737.98,858.96 743.87,858.96 ; 737.98,859.35 743.87,859.35 ; 737.98,859.74 743.87,859.74 ; 737.98,860.13 743.48,860.13 ; 737.98,860.53 743.48,860.53 ; 737.98,860.92 743.48,860.92 ; 737.98,866.81 743.48,866.81 ; 737.98,867.21 743.48,867.21 ; 737.98,867.6 743.48,867.6 ; 737.98,867.99 743.87,867.99 ; 737.98,868.38 743.87,868.38 ; 737.98,868.78 743.87,868.78 ; 738.37,856.99 744.66,856.99 ; 738.37,857.38 744.66,857.38 ; 738.37,857.78 744.26,857.78 ; 738.37,858.17 744.26,858.17 ; 738.37,869.17 743.87,869.17 ; 738.37,869.56 743.87,869.56 ; 738.37,869.96 744.26,869.96 ; 738.37,870.35 744.26,870.35 ; 738.76,855.81 745.44,855.81 ; 738.76,856.21 745.05,856.21 ; 738.76,856.6 745.05,856.6 ; 738.76,870.74 744.66,870.74 ; 738.76,871.13 744.66,871.13 ; 738.76,871.53 745.05,871.53 ; 739.16,855.03 746.62,855.03 ; 739.16,855.42 745.83,855.42 ; 739.16,871.92 745.44,871.92 ; 739.16,872.31 745.83,872.31 ; 739.55,854.24 747.8,854.24 ; 739.55,854.64 747.01,854.64 ; 739.55,872.7 746.23,872.7 ; 739.55,873.1 746.62,873.1 ; 739.55,873.49 747.41,873.49